# Altium PCB fMAX_MB.PcbDoc (part 9 of 13) (continued)
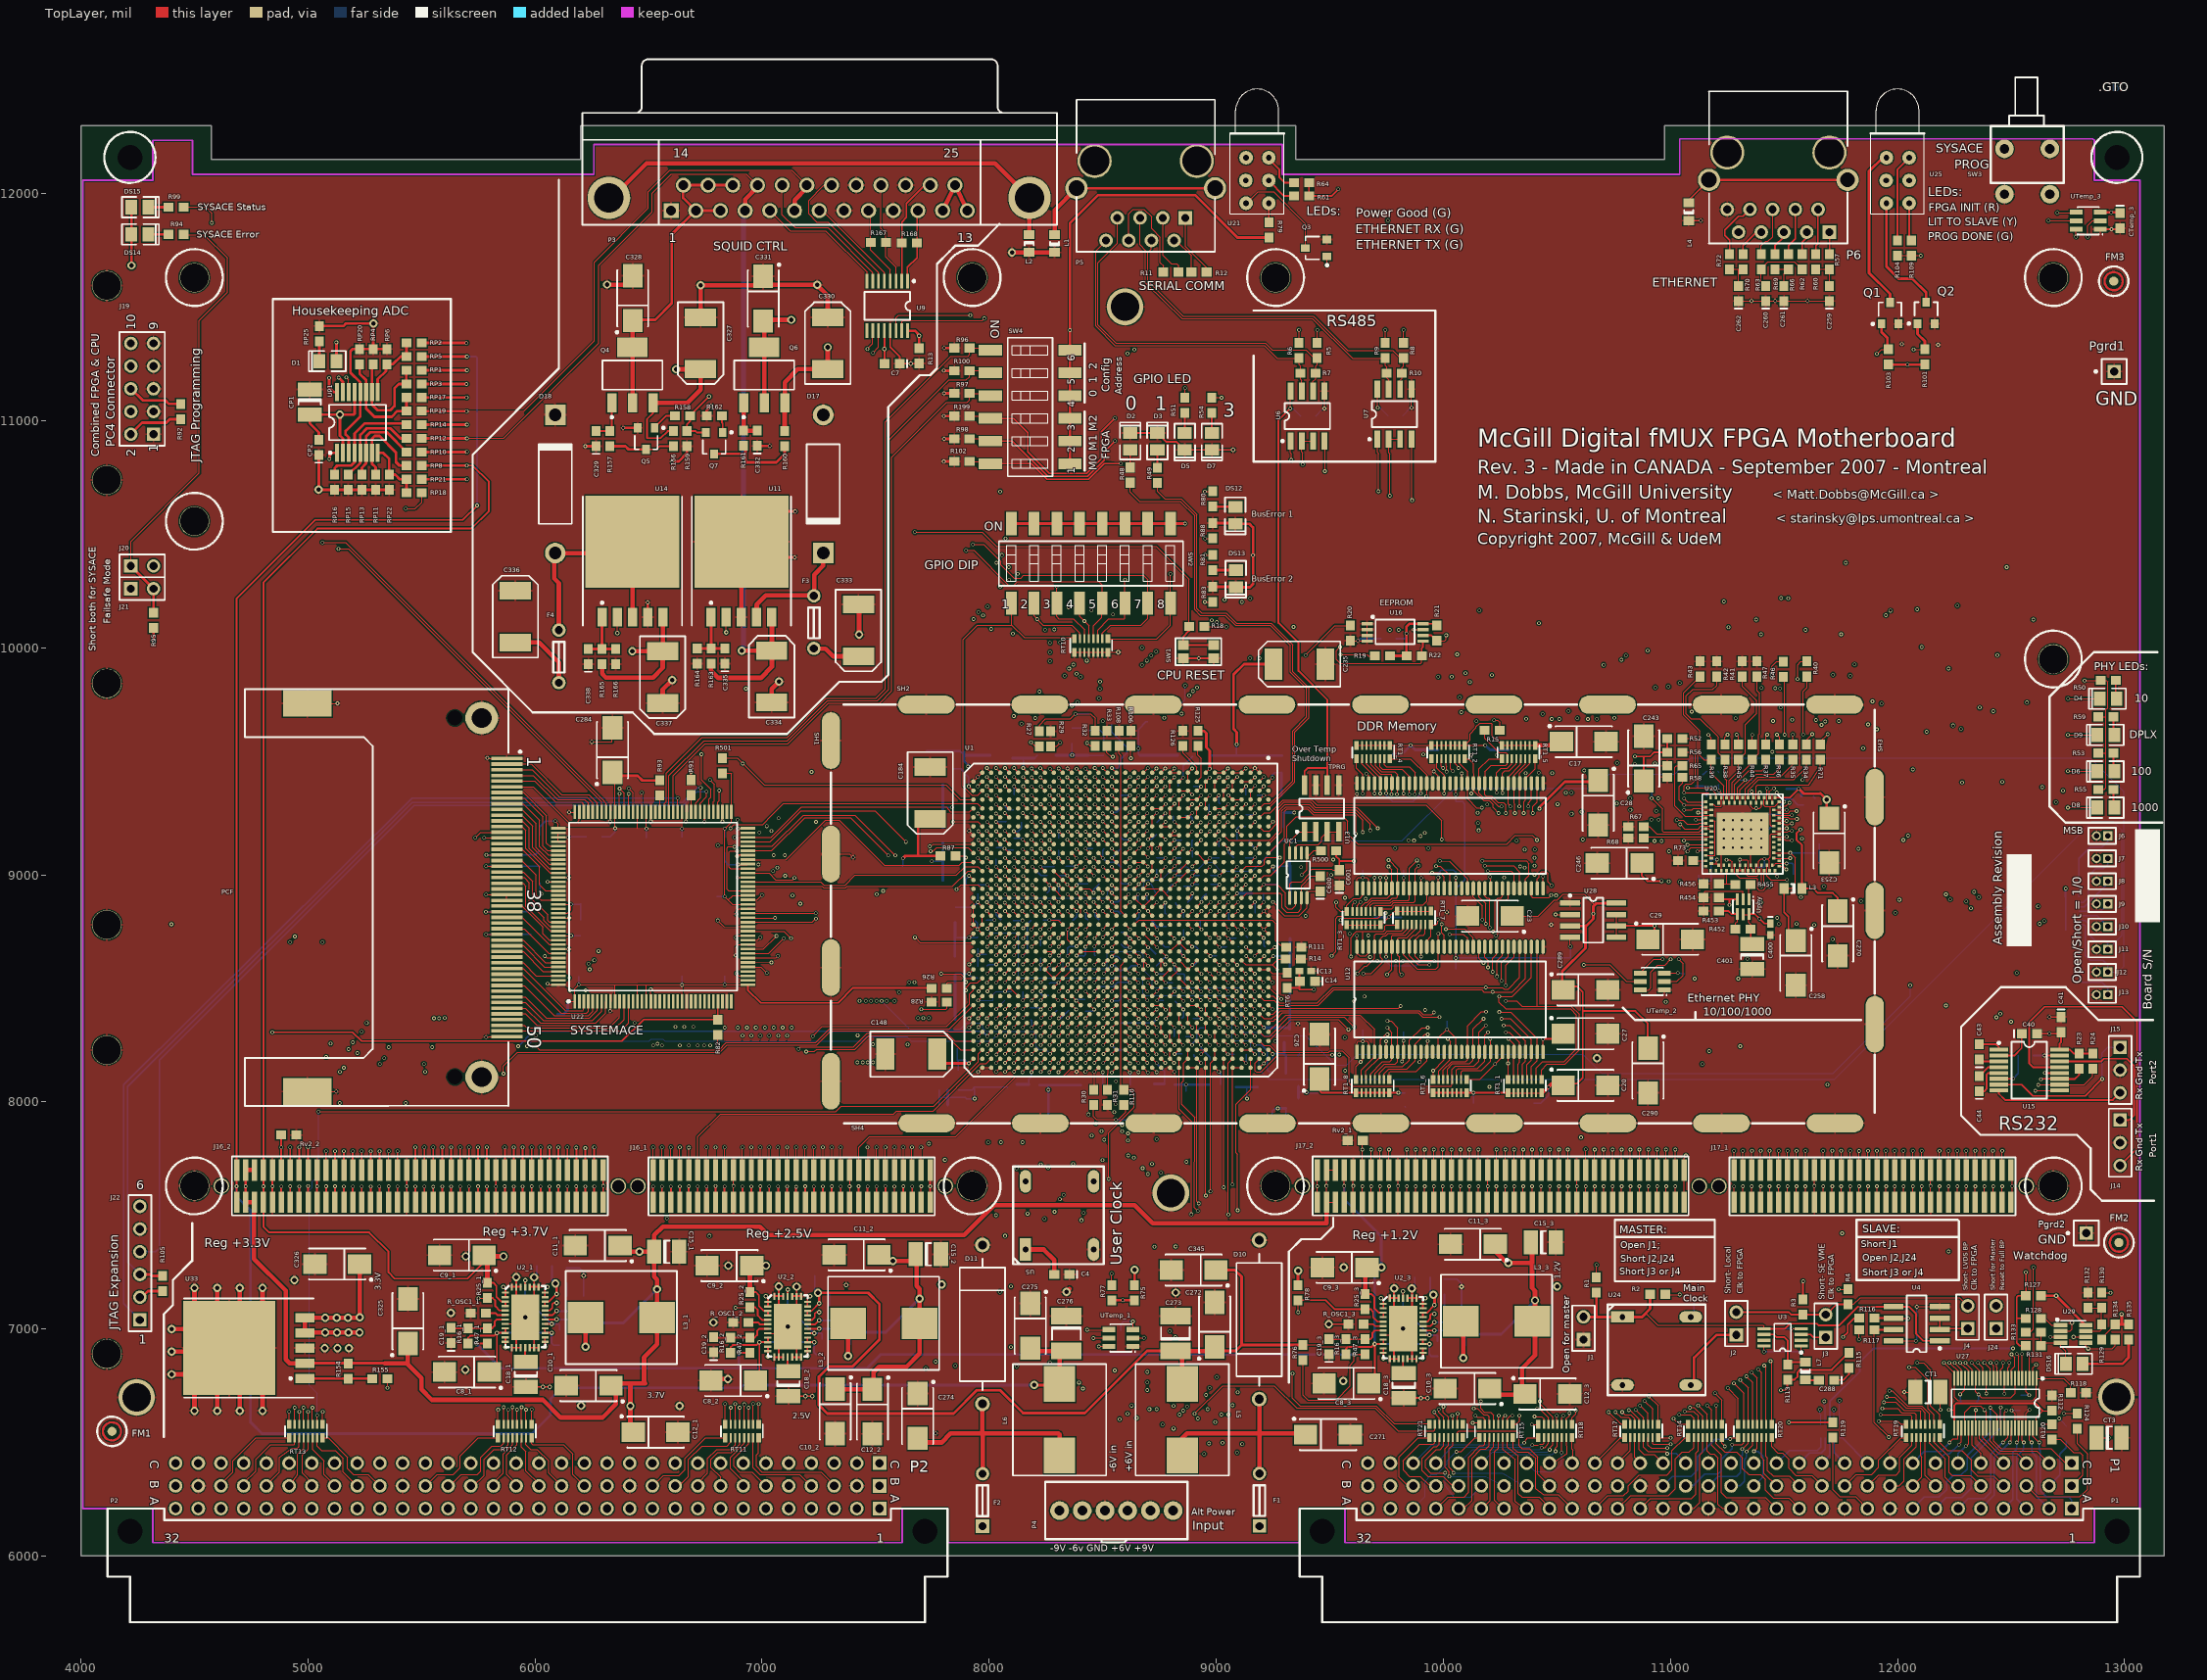
[diagram p0: TopLayer view]
## Nets (pads, with @x,y where several pads share a name; then routed paths per layer and width w, separated by ;. In a path a pad name is that pad's centre, name@x,y a point inside that pad or via, vN(x,y) a via of type N, cw(c..) or ccw(c..) an arc to the next point about the centre after c; other vN are vias at no path point) (continued)
  TopLayer w4: v1(10019.68,8277.56) 10031.5,8265.75 U12.17@10031.5,8220.47
  TopLayer w5: U1.K17@8875.28,8819.68 8875.28,8820.28 v1(8895,8840) ; v1(9967.52,9038.39) 9987.2,9038.39 10029.45,8996.14 U13.17@10029.45,8940 ; RT1_6.15@9979.69,8099.06 9979.69,8136.69 10029.45,8186.45 U12.17@10029.45,8220
  MidLayer2 w5: v1(8895,8840) 8895,8880.24 8993.11,8978.35 9177.17,8978.35 9213.58,9014.76 9898.62,9014.76 9922.24,9038.39 v1(9967.52,9038.39)
  Gnd3 w5: v1(9967.52,9038.39) 9970.47,9038.39 9994.09,9014.76 9994.09,8978.35 9945.04,8929.29 9945.04,8657.32 9977.36,8625 9977.36,8390.75 9962.6,8375.98 9962.6,8334.65 v1(10019.68,8277.56)
RB7: RT1_7.15 U1.B25 U12.56 | length 1066.8
  TopLayer w5: U1.B25@9190.28,8504.72 v1(9209,8486) ; U12.56@9875.91,8682.99 9875.91,8639.84 9892.72,8623.03 9956.69,8623.03 v1(9960.63,8619.09) ; 9875.91,8714.49 9895.67,8734.25 9912.4,8734.25 9920.31,8742.16 RT1_7.15@9920.31,8780.94
  MidLayer3 w5: v1(9209,8486) 9247.81,8486 9356.3,8594.49 9819.88,8594.49 9847.44,8622.05 9954.72,8622.05 9957.68,8619.09 v1(9960.63,8619.09)
RB8: RT1_8.15 U1.A30 U12.4 | length 768.2
  TopLayer w5: U1.A30@9229.61,8307.87 9229.61,8308.35 9277.87,8356.61 9281.61,8356.61 9307.4,8382.4 9633.35,8382.4 9696.77,8318.98 9696.77,8197.77 9639.69,8140.69 RT1_8.15@9639.69,8099.06
RC1: RT1_1.14 U1.C29 U12.29 U13.29 | length 2808.4
  TopLayer w5: U1.C29@9150.87,8347.24 9150.87,8347.13 v1(9170,8328) ; v1(10183.07,9039.37) 10310.04,9039.37 10336.54,9012.87 U13.29@10336.54,8940 ; v1(10275.59,8307.09) 10291.34,8307.09 10336.54,8261.89 U12.29@10336.54,8220 10336.54,8174.54 10329.37,8167.37 RT1_1.14@10329.37,8099.06
  MidLayer2 w5: v1(10183.07,9039.37) 10197.83,9039.37 10224.41,9012.8 10224.41,8984.09 10153.86,8913.54 10153.86,8592.2 10306.1,8439.96 10306.1,8274.61 10293.31,8261.81 10277.56,8261.81 10260.83,8278.54 10260.83,8292.32 v1(10275.59,8307.09)
  MidLayer4 w5: v1(9170,8328) 9179.87,8328 9196.85,8311.02 9196.85,8309.42 9203.74,8302.53 9203.74,8268.44 9224.82,8247.36 9827.09,8247.36 9923.23,8343.5 10110.24,8343.5 10193.9,8259.84 10293.31,8259.84 10303.15,8269.68 10303.15,8294.29 10290.35,8307.09 v1(10275.59,8307.09)
RC2: RT1_2.14 U1.F29 U12.47 | length 2666.6
  TopLayer w5: U1.F29@9032.76,8347.24 v1(9052,8328) ; v1(10027.56,8738.19) 10088.58,8738.19 10106.22,8720.55 U12.47@10106.22,8682.99 ; RT1_2.14@10050.63,9510.94 10050.63,9490.37 10063,9478 v1(10066,9470)
  MidLayer1 w5: v1(9052,8328) 9052,8329.89 9035.43,8346.46 9035.43,8407.48 9016.73,8426.18 8931.1,8426.18 8916.34,8440.94 8916.34,8569.88 8928.15,8581.69 8953.74,8581.69 9005.91,8633.86 9101.38,8633.86 9132.56,8602.68 9190.63,8602.68 9194.88,8598.43 9319.53,8598.43 9358.27,8559.68 ; 9356.65,8559.68 9587.24,8559.68 9609.25,8581.69 9820.87,8581.69 9862.87,8539.68 9980.63,8539.68 10027.56,8586.61 v1(10027.56,8738.19)
  Gnd3 w5: v1(10027.56,8738.19) 10070.87,8781.5 10070.87,9362.2 10063.98,9369.09 10063.98,9454.72 10066,9456.75 v1(10066,9470)
RC3: RT1_3.14 U1.B22 U13.5 | length 847.2
  TopLayer w5: U1.B22@9190.24,8622.83 U1.B22@9190.24,8622.83 ; U1.B22@9190.27,8622.8 v1(9211,8642) ; RT1_3.14@9619.37,8839.06 9619,8864 v1(9635,8880) ; v1@9722,8988 v1(9722.36,8987.64) U13.5@9722.36,8940 U13.5@9722.36,8914.36
  MidLayer2 w5: v1(9211,8642) 9211,8645.06 9227.36,8661.42 9279.79,8661.42 9512.07,8893.7 9548.23,8893.7 9558.07,8883.86 9562.99,8878.94 9579.72,8878.94 9601.38,8900.59 9614.41,8900.59 v1(9635,8880)
  MidLayer5 w5: v1(9635,8880) 9635,8900.28 v1(9722.36,8987.64)
RC4: RT1_4.14 U1.L26 U13.57 | length 3624.7
  TopLayer w5: U1.L26@8835.91,8465.35 8835.91,8465.09 v1(8856,8445) ; RT1_4.14@9720.63,9510.94 9720.63,9476.04 9731.67,9465 9817,9465 9850.32,9431.68 v1@9850.32,9354.41
  MidLayer1 w5: v1(8980.32,10120.08) 8980.32,10105.31 8990.16,10095.47 9012.8,10095.47 9033.32,10116 9726.52,10116 v1(9763.78,10078.74)
  MidLayer5 w5: v1(8856,8445) 8856,8446.17 8838.58,8463.58 8838.58,9088.58 8836.61,9090.55 8836.61,9382.33 8852.28,9398 8863.55,9398 8918.31,9452.76 8918.31,9791.34 8980.32,9853.35 v1(8980.32,10120.08) ; v1(9763.78,10078.74) 9763.78,10059.06 9822.83,10000 9822.83,9415.35 9850.39,9387.8 v1(9850.39,9354.33)
RC5: RT1_5.14 U1.A24 U12.39 U13.39 | length 2278.5
  TopLayer w4: U13.39@10310.95,9402.99 10310.95,9438.95
  TopLayer w5: U1.A24@9229.61,8544.09 9229.61,8543.39 v1(9247,8526) ; v1(10275.59,8513.78) 10275.59,8602.36 10310.95,8637.72 U12.39@10310.95,8682.99 ; U13.39@10310.95,9402.99 10310.95,9314.05 10314.96,9310.04 v1(10314.96,9271.65) ; 10310.95,9438.95 10360.63,9488.63 RT1_5.14@10360.63,9510.94
  MidLayer1 w5: v1(9247,8526) 9253.32,8519.68 10234.61,8519.68 10240.52,8513.78 v1(10275.59,8513.78) 10305.28,8543.46 10305.28,9162.56 10314.96,9172.24 v1(10314.96,9271.65)
RC6: RT1_6.14 U1.C22 U12.20 | length 1608.8
  TopLayer w5: v1(9132,8642) 9151.17,8622.83 U1.C22@9150.87,8622.83 ; RT1_6.14@9999.37,8099.06 9999.37,8140.37 10037,8178 10099,8178 10106.22,8185.22 U12.20@10106.22,8220 10106.22,8334.57 10168.31,8396.65 v1(10187.99,8396.65)
  MidLayer6 w5: v1(9132,8642) 9132,8641.62 9151.57,8622.05 9635.83,8622.05 9790.35,8467.52 10117.13,8467.52 v1(10187.99,8396.65)
RC7: RT1_7.14 U1.A21 U12.57 | length 1026.1
  TopLayer w5: U1.A21@9229.61,8662.2 v1(9257.87,8681.1) ; RT1_7.14@9900.63,8780.94 9900.63,8755.94 9878.37,8733.68 9868.52,8733.68 9850.32,8715.47 9850.32,8643.78 9889.76,8604.33 v1(9938.98,8604.33)
  MidLayer1 w5: v1(9257.87,8681.1) 9509.84,8681.1 9599.25,8591.69 9926.34,8591.69 v1(9938.98,8604.33)
RC8: RT1_8.14 U1.E31 U12.5 | length 976.2
  TopLayer w4: U12.5@9722.36,8220 9722.36,8273.54 9746.06,8297.24 v1(9753.94,8297.24)
  TopLayer w5: U1.E31@9072.13,8268.5 9072.5,8268.5 v1(9091,8250) ; RT1_8.14@9659.37,8099.06 9659.37,8135.37 9722.36,8198.36 U12.5@9722.36,8220
  MidLayer3 w5: v1(9091,8250) 9091,8251.43 9110.24,8270.67 9237.2,8270.67 9250,8283.46 9266.73,8283.46 9296.1,8254.09 9605.47,8254.09 9648.62,8297.24 v1(9753.94,8297.24)
RD1: RT1_1.13 U1.C23 U12.30 U13.30 | length 2803.2
  TopLayer w5: U1.C23@9150.87,8583.46 9150.87,8583.13 v1(9170,8564) ; v1(10172.24,9061.02) 10365.16,9061.02 10376.97,9049.21 10376.97,8997.05 10362.13,8982.21 U13.30@10362.13,8940 ; v1(10265.75,8336.61) 10293.31,8336.61 10362.13,8267.79 U12.30@10362.13,8220 10362.13,8180.13 10349.06,8167.06 RT1_1.13@10349.06,8099.06
  Gnd1 w5: v1(9170,8564) 9254.9,8564 9256.89,8562.01 9586.25,8562.01 9609.87,8538.39 9732.91,8538.39 9737.83,8533.46 9830.71,8533.46 9859.25,8562.01 10205.44,8562.01 10308.07,8459.38 10308.07,8378.94 v1(10265.75,8336.61)
  MidLayer2 w5: v1(10172.24,9061.02) 10133.86,9022.64 10133.86,8505.91 10216.54,8423.23 10216.54,8366.14 10246.06,8336.61 v1(10265.75,8336.61)
RD2: RT1_2.13 U1.F23 U12.51 | length 1915.7
  TopLayer w5: U1.F23@9032.76,8583.46 9032.76,8583.24 v1(9051,8565) ; v1(9993.11,8782.48) 9993.11,8744.2 10003.86,8733.45 U12.51@10003.86,8682.99 ; RT1_2.13@10030.94,9510.94 10030.94,9467.09 v1(10042.32,9455.71)
  MidLayer2 w5: v1(9051,8565) 9052.2,8565 9069.88,8582.68 9098.43,8582.68 9119.5,8603.75 9265.17,8603.75 9434.88,8773.46 9984.09,8773.46 v1(9993.11,8782.48)
  Gnd3 w5: v1(9993.11,8782.48) 10038.39,8827.76 10038.39,9362.2 10042.32,9366.14 v1(10042.32,9455.71)
RD3: RT1_3.13 U1.E26 U13.7 | length 1547.5
  TopLayer w4: RT1_3.13@9639.06,8839.06 9639.06,8861.5 9655.51,8877.95 9665.42,8877.95 9684.12,8896.65 9752.65,8896.65 U13.7@9773,8917
  TopLayer w5: U1.E26@9072.13,8465.35 9072.13,8464.87 v1(9090,8447) ; v1(9758.86,9036.42) 9773.54,9021.73 U13.7@9773.54,8940 ; U13.7@9773,8917 U13.7@9773,8939.46
  MidLayer6 w5: v1(9090,8447) 9088.43,8447 9071.85,8463.58 9071.85,8921.26 9087.6,8937.01 9532.48,8937.01 9631.89,9036.42 v1(9758.86,9036.42)
RD4: RT1_4.13 U1.B33 U13.59 | length 2112.6
  TopLayer w5: U1.B33@9190.24,8189.76 9190.24,8189.24 9172,8171 9172,8136.07 9177.17,8130.91 9195.87,8130.91 9272.64,8207.68 v1(9510.83,8207.68) ; RT1_4.13@9700.94,9510.94 9700.94,9480.17 9727.11,9454 9786,9454 9799.13,9440.87 v1@9799.13,9358.19
  Gnd3 w5: v1(9510.83,8207.68) 9526.57,8191.93 9762.8,8191.93 9796.26,8225.39 9796.26,8604.33 9807.09,8615.16 9807.09,8629.92 9796.26,8640.75 9796.26,9102.36 9804.13,9110.24 9804.13,9125.98 9795.28,9134.84 v1(9795.28,9354.33)
RD5: RT1_5.13 U1.F25 U12.40 U13.40 | length 2554.6
  TopLayer w5: U1.F25@9032.76,8504.72 9033.28,8504.72 v1(9052,8486) ; v1(10255.91,8533.46) 10255.91,8612.2 10285.43,8641.73 U12.40@10285.43,8681.1 ; U13.40@10285.36,9402.99 10285.36,9311.1 v1(10295.28,9301.18) ; U13.40@10285.36,9431.36 10340.94,9486.94 RT1_5.13@10340.94,9510.94
  MidLayer1 w5: v1(9052,8486) 9031.55,8465.55 9009.84,8465.55 8995.08,8480.32 8995.08,8498.03 9039.37,8542.32 9262.8,8542.32 9275.43,8529.68 10229.49,8529.68 10233.27,8533.46 v1(10255.91,8533.46) 10295.28,8572.84 v1(10295.28,9301.18)
RD6: RT1_6.13 U1.C27 U12.21 U13.21 | length 2205.1
  TopLayer w5: U1.C27@9150.87,8425.98 9151.02,8425.98 v1(9169,8408) ; RT1_6.13@10019.06,8099.06 10019.06,8145.91 10041.14,8168 10116,8168 10131.81,8183.81 U12.21@10131.81,8220 10131.81,8320.79 v1(10177.17,8366.14) ; U13.21@10131.81,8940 10131.81,8902.64 10171.26,8863.19 v1(10171.26,8802.17)
  MidLayer1 w5: v1@9169,8405.8 v1(9169,8408) 9169.76,8408 9191.93,8385.83 9344.49,8385.83 9458.35,8499.68 10136.14,8499.68 10162.4,8473.43 10162.4,8380.91 v1(10177.17,8366.14)
  Gnd3 w5: v1(10171.26,8802.17) 10171.26,8658.21 10129.92,8616.87 10129.92,8504.92 10163.39,8471.46 10163.39,8379.92 v1(10177.17,8366.14)
RD7: RT1_7.13 U1.K26 U12.59 | length 1297.1
  TopLayer w5: U1.K26@8875.28,8465.35 8875.65,8465.35 v1(8894,8447) ; v1(9815.94,8561.02) 9807.09,8569.88 9807.09,8637.8 9799.13,8645.75 9799.13,8718.43 9803.66,8722.95 9840.08,8722.95 9880.94,8763.82 RT1_7.13@9880.94,8780.94
  MidLayer2 w5: v1(8894,8447) 8894,8444.58 8913.39,8425.2 9680.12,8425.2 v1(9815.94,8561.02)
RD8: RT1_8.13 U1.D30 U12.7 | length 996.6
  TopLayer w4: v1(9753.94,8325.79) 9761.81,8316.93 9773.54,8305.2 U12.7@9773.54,8220
  TopLayer w5: U1.D30@9111.5,8307.87 9112.13,8307.87 v1(9130,8290) ; RT1_8.13@9679.06,8099.06 9679.06,8124.06 9732,8177 9765,8177 9773.54,8185.54 U12.7@9773.54,8220
  MidLayer3 w5: v1(9130,8290) 9130,8290.43 9147.64,8308.07 9258.86,8308.07 9302.83,8264.09 9601.33,8264.09 9662.4,8325.79 v1(9753.94,8325.79)
  MidLayer4 w5: v1@9752.95,8326.77 v1@9752.95,8328.74
RE1: RT1_1.12 U1.D25 U12.31 U13.31 | length 2362.2
  TopLayer w5: U1.D25@9111.5,8504.72 9111.5,8504.5 v1(9131,8485) ; v1(10255.91,8366.14) 10295.28,8366.14 10387.72,8273.7 U12.31@10387.72,8220 10387.72,8182.72 10368.74,8163.74 RT1_1.12@10368.74,8099.06 ; U13.31@10387.72,8940 10387.72,8905.59 10392.72,8900.59 10464.57,8900.59 v1(10474.41,8910.43)
  MidLayer1 w5: v1(10255.91,8366.14) 10255.91,8379.56 10319.88,8443.53 10319.88,8457.94 10417.32,8555.38 10417.32,8853.35 v1(10474.41,8910.43)
  MidLayer4 w5: v1(9131,8485) 9131.65,8485 9150.59,8503.94 9320.87,8503.94 9340.55,8523.62 10103.97,8523.62 10228.35,8399.24 10228.35,8375.98 10238.19,8366.14 v1(10255.91,8366.14)
RE2: RT1_2.12 U1.F28 U13.20 | length 2734.3
  TopLayer w5: U1.F28@9032.76,8386.61 9032.76,8386.24 v1(9051,8368) ; v1(9984.25,9061.02) 10027.56,9060.04 10106.22,8982.36 U13.20@10106.22,8940 ; RT1_2.12@10011.26,9510.94 10011.26,9481.85 10014.76,9478.35 v1(10014.76,9454.72)
  Gnd3 w5: v1(9051,8368) 9051.29,8368 9072.83,8346.46 9311.46,8346.46 9350,8385 9434.17,8385 9489.17,8440 ; 9489.17,8438.98 9489.17,9394.68 9583.66,9489.17 10005.91,9489.17 10017.72,9477.36 10017.72,9457.68 v1(10014.76,9454.72) 10014.76,9371.06 10028.39,9357.44 10028.39,9105.16 v1@9985.24,9062.01
RE3: RT1_3.12 U1.D27 U13.8 | length 1773.5
  TopLayer w4: RT1_3.12@9658.74,8839.06 9658.74,8858.54 9686.02,8885.83 9763.94,8885.83 9775.75,8897.64 9793.31,8897.64 9799.13,8903.46 U13.8@9799.13,8940
  TopLayer w5: U1.D27@9111.5,8425.98 9111.5,8425.5 v1(9130,8407) ; v1(9758.86,9064.96) 9759.84,9064.96 9799.13,9025.67 U13.8@9799.13,8940
  MidLayer6 w5: v1(9130,8407) 9130,8409.37 9114.17,8425.2 9049.21,8425.2 9032.48,8441.93 9032.48,8939.96 9068.9,8976.38 9551.18,8976.38 9639.76,9064.96 v1(9758.86,9064.96)
RE4: RT1_4.12 U1.B32 U13.60 | length 2005.3
  TopLayer w5: U1.B32@9190.24,8229.13 9190.24,8228.76 v1(9209,8210) ; RT1_4.12@9681.26,9510.94 9681.26,9484.3 9722.56,9443 9773,9443 9773.54,9442.46 v1@9773.54,9356.22
  Gnd3 w5: v1(9209,8210) 9209,8211.95 9237.2,8240.16 9627.59,8240.16 9652.2,8215.55 9770.35,8215.55 9786.26,8231.46 9786.26,8598.58 9775.59,8609.25 9775.59,8632.87 9786.26,8643.54 9786.26,9097.6 9772.64,9111.22 9772.64,9125.98 9785.28,9138.62 9785.28,9334.8 9771.65,9348.42 v1(9771.65,9354.33)
RE5: RT1_5.12 U1.F26 U12.41 U13.41 | length 2689
  TopLayer w5: U1.F26@9032.76,8465.35 9032.76,8465.24 v1(9052,8446) ; v1(10236.22,8553.15) 10236.22,8622.05 10259.76,8645.59 U12.41@10259.76,8682.99 ; v1(10259.76,9360.24) 10259.76,9447.76 10270,9458 10290,9458 10321.26,9489.26 RT1_5.12@10321.26,9510.94
  Gnd1 w5: v1(9052,8446) 9072.54,8466.54 9093.5,8466.54 9110.24,8483.27 9110.24,8651.57 9120.08,8661.42 9257.87,8661.42 9336.46,8582.83 10081.85,8582.83 10133.86,8634.84 10187.01,8634.84 10249.02,8572.83 10249.02,8565.94 v1(10236.22,8553.15)
  Gnd3 w5: v1(10236.22,8553.15) 10260.83,8577.76 10260.83,8746.43 10235.24,8772.02 10235.24,8999.38 10227.36,9007.25 10227.36,9326.77 10259.76,9359.17 v1(10259.76,9360.24)
RE6: RT1_6.12 U1.B31 U12.22 U13.22 | length 2038.2
  TopLayer w5: U1.B31@9190.24,8268.5 9190.5,8268.5 9190.5,8267.18 9209.65,8248.03 9235.24,8248.03 9265.59,8217.68 9495.24,8217.68 9501.97,8224.41 9554.13,8224.41 9584.65,8193.9 9584.65,8081.69 9596.46,8069.88 10035.43,8069.88 10038.74,8073.19 10038.74,8143.74 10053,8158 10136,8158 10157.4,8179.4 U12.22@10157.4,8220 10157.4,8307.01 v1(10187.01,8336.61) ; U13.22@10157.4,8940 10157.4,8902.64 10187.01,8873.03 v1(10187.01,8784.45)
  Gnd3 w5: v1(10187.01,8336.61) 10203.74,8353.35 10203.74,8446.85 10149.61,8500.98 10149.61,8622.41 10187.01,8659.81 v1(10187.01,8784.45)
RE7: RT1_7.12 U1.G23 U12.60 | length 1097.8
  TopLayer w5: U1.G23@8993.39,8583.46 8993.54,8583.46 v1(9012,8565) ; v1(9751.97,8561.02) 9773.54,8582.6 9773.54,8729.25 9777.24,8732.95 9828.43,8732.95 9829.15,8733.68 9832.11,8733.68 9861.26,8762.83 RT1_7.12@9861.26,8780.94
  MidLayer1 w5: v1(9012,8565) 9012,8566.13 9028.54,8582.68 9177.17,8582.68 9207.52,8552.32 9269.53,8552.32 9282.17,8539.68 9730.63,8539.68 v1(9751.97,8561.02)
RE8: RT1_8.12 U1.G27 U12.8 | length 1193.7
  TopLayer w4: v1(9753.94,8356.3) 9769.69,8356.3 9799.13,8326.85 U12.8@9799.13,8220
  TopLayer w5: U1.G27@8993.39,8425.98 8993.39,8425.61 v1(9012,8407) ; RT1_8.12@9698.74,8099.06 9698.74,8125.74 9740,8167 9788,8167 9799,8178 U12.8@9799,8219.87
  MidLayer4 w5: v1(9012,8407) 9065.44,8407 9086.61,8385.83 9240.16,8385.83 9317.91,8308.07 9331.69,8294.29 9554.85,8294.29 9561.74,8301.18 9683.07,8301.18 9738.19,8356.3 v1@9751.97,8356.3
RF1: RT1_1.11 U1.D24 U12.32 U13.32 | length 2449.8
  TopLayer w5: U1.D24@9111.5,8544.09 9111.91,8544.09 v1(9130,8526) ; v1(10246.06,8395.67) 10297.24,8395.67 10413.31,8279.61 U12.32@10413.31,8220 10413.31,8181.31 10388.43,8156.43 RT1_1.11@10388.43,8099.06 ; U13.32@10413.31,8940 10413.31,8982.21 10421.26,8990.16 10421.26,9002.95 10433.07,9014.76 10451.77,9014.76 10461.61,9004.92 10461.61,8968.5 v1(10476.38,8953.74)
  MidLayer1 w5: v1(10246.06,8395.67) 10257.87,8395.67 10309.06,8446.85 10309.06,8461.25 10406.5,8558.69 10406.5,8883.86 v1(10476.38,8953.74)
  MidLayer4 w5: v1(9130,8526) 9140.17,8526 9157.48,8543.31 9295.28,8543.31 9303.15,8535.43 10106.3,8535.43 v1(10246.06,8395.67)
RF2: RT1_2.11 U1.E23 U13.16 | length 2114.2
  TopLayer w5: U1.E23@9072.13,8583.46 9072.13,8582.87 v1(9089,8566) ; v1(9950.79,9008.86) 9985.24,9008.86 10003.86,8990.24 U13.16@10003.86,8940 ; RT1_2.11@9991.57,9510.94 9991.57,9478.43 v1(9999,9470)
  MidLayer5 w5: v1(9950.79,9008.86) 9950.79,9437.01 9894.68,9493.11 9894.68,9543.31 9903.54,9552.17 9971.46,9552.17 9999,9524.62 v1(9999,9470)
  MidLayer6 w5: v1(9089,8566) v1@9093.56,8566 ; v1@9090.55,8566 9090.55,8571.85 9114.17,8595.47 9114.17,8854.33 9176.18,8916.34 9858.27,8916.34 v1(9950.79,9008.86)
RF3: RT1_3.11 U1.A28 U13.10 | length 1659.2
  TopLayer w4: RT1_3.11@9678.43,8839.06 9678.43,8864.45 9689.96,8875.98 9766.82,8875.98 9778.63,8887.8 9845.47,8887.8 9850.32,8892.64 U13.10@9850.32,8940
  TopLayer w5: U1.A28@9229.61,8386.39 U1.A28@9229.61,8386.61 ; U1.A28@9231.56,8386.56 9251.56,8386.56 9277.4,8412.4 9802.17,8412.4 v1(9812.01,8422.24) ; U13.10@9850.32,8940 9850.32,9029.45 v1(9883.86,9062.99)
  Gnd3 w5: v1(9812.01,8422.24) 9812.01,8533.46 9839.57,8561.02 9839.57,9018.7 v1(9883.86,9062.99)
RF4: RT1_4.11 U1.F31 U13.62 | length 2096.2
  TopLayer w5: U1.F31@9032.76,8268.5 9032.76,8268.24 v1(9052,8249) ; RT1_4.11@9661.57,9510.94 9661.57,9488.43 9704,9446 9722,9428 U13.62@9722.36,9402.99 v1@9722.36,9359.36
  Gnd3 w5: v1(9052,8249) 9052,8249.83 9070.87,8268.7 9236.22,8268.7 9252.95,8251.97 9629.92,8251.97 9640.75,8241.14 9752.32,8241.14 9776.26,8265.08 9776.26,8593.82 9762.62,8607.45 9762.62,8634.05 9776.26,8647.69 9776.26,9091.85 9761.81,9106.3 9761.81,9129.3 9775.28,9142.76 9775.28,9294.61 9722,9347.88 v1(9722,9358)
RF5: RT1_5.11 U1.B27 U12.42 U13.42 | length 2498
  TopLayer w5: U1.B27@9190.24,8425.98 9190.24,8425.76 v1(9209,8407) ; v1(10216.54,8572.83) 10216.54,8631.89 10234.17,8649.53 U12.42@10234.17,8682.99 ; v1(10234.17,9361.17) 10234.17,9450.17 10254,9470 10282,9470 10301.57,9489.57 RT1_5.11@10301.57,9510.94
  Gnd1 w5: v1(9209,8407) 9188.83,8427.17 9159.45,8427.17 9149.61,8437.01 9149.61,8582.68 9178.15,8611.22 9278.54,8611.22 9316.93,8572.83 9589.57,8572.83 9612.2,8550.2 9735.24,8550.2 9741.14,8544.29 9825.79,8544.29 9854.33,8572.83 v1(10216.54,8572.83)
  Gnd3 w5: v1(10216.54,8572.83) 10250,8606.3 10250,8743.11 10224.41,8768.7 10224.41,8996.06 10216.54,9003.94 10216.54,9330.09 10233.22,9346.77 10233.22,9361.17 v1(10234.17,9361.17)
RF6: RT1_6.11 U1.A31 U12.23 U13.23 | length 2104.6
  TopLayer w5: U1.A31@9229.61,8268.39 U1.A31@9229.61,8268.5 9231.42,8268.5 9289.21,8326.3 9289.88,8326.3 9300.2,8336.61 9301.61,8336.61 9327.4,8362.4 9537.6,8362.4 9565,8335 ; 9563.98,8336.61 v1(9581.69,8318.9) ; RT1_6.11@10058.43,8099.06 10058.43,8140.43 10066,8148 10151,8148 10182.99,8179.99 U12.23@10182.99,8220 10182.99,8293.23 v1(10196.85,8307.09) ; U13.23@10182.99,8940 10182.99,8905.59 10190.94,8897.64 10199.8,8897.64 10203.74,8893.7 v1(10203.74,8767.72)
  MidLayer1 w5: v1(9581.69,8318.9) 9581.69,8317.91 9592.52,8307.09 9606.3,8307.09 9682.09,8382.87 9928.15,8382.87 9966.54,8344.49 10130.91,8344.49 10168.31,8307.09 v1(10196.85,8307.09)
  Gnd3 w5: v1(10196.85,8307.09) 10215.55,8325.79 10215.55,8450.79 10160.43,8505.91 10160.43,8619.09 10203.74,8662.4 v1(10203.74,8767.72)
RF7: RT1_7.11 U1.C25 U12.62 | length 908.4
  TopLayer w5: U1.C25@9150.87,8504.72 9150.87,8504.13 v1(9169,8486) ; v1(9647.64,8565.94) 9683.07,8565.94 9731.3,8614.17 9731.3,8626.97 9722.36,8635.91 9722.36,8718.42 9735.08,8731.14 9745.91,8731.14 9757.72,8742.95 9822.68,8742.95 9841.57,8761.85 RT1_7.11@9841.57,8780.94
  MidLayer2 w5: v1@9168.31,8485.24 9168.31,8486.22 9186.02,8503.94 9250,8503.94 9279.37,8533.31 9615,8533.31 v1(9647.64,8565.94)
  MidLayer3 w5: v1(9169,8486) v1@9169,8486.91
RF8: RT1_8.11 U1.E29 U12.10 | length 1426.5
  TopLayer w4: U12.10@9850.32,8220 9850.32,8271.58 9905.51,8326.77 v1(9931.1,8326.77)
  TopLayer w5: U1.E29@9072.13,8347.24 9072.13,8346.87 v1(9091,8328) ; RT1_8.11@9718.43,8099.06 9718.43,8127.43 9746,8155 9821,8155 9850.32,8184.32 U12.10@9850.32,8220
  MidLayer4 w5: v1(9091,8328) 9109.01,8328 9131.59,8305.42 9143.4,8305.42 9153.54,8295.28 9153.54,8283.46 9165.35,8271.65 9172.24,8271.65 9216.54,8227.36 9943.9,8227.36 9964.57,8248.03 9964.57,8293.31 v1(9931.1,8326.77) ; 9849.41,8227.36 9850.39,8228.35
RG1: RT1_1.10 U1.G25 U12.36 U13.36 | length 3431.1
  TopLayer w5: U1.G25@8993.39,8504.72 8993.39,8504.61 v1(9014,8484) ; v1(10374.02,9301.18) 10374.02,9316.93 10387.72,9330.63 U13.36@10387.72,9402.99 ; U12.36@10387.72,8682.99 10387.72,8549.14 10303.15,8464.57 v1(10246.06,8464.57) 10246.06,8438.98 10275.59,8409.45 10559.06,8409.45 10586.61,8381.89 10586.61,8232.28 10531.5,8177.17 10437.01,8177.17 10408.11,8148.27 RT1_1.10@10408.11,8099.06
  MidLayer1 w5: v1(9014,8484) 9032.95,8502.95 9276.57,8502.95 9283.31,8509.68 10157.8,8509.68 10202.91,8464.57 10280.67,8464.57 10385,8568.9 10386.08,8568.9 10386.08,9074.92 10374.02,9086.98 v1(10374.02,9301.18)
RG2: RT1_2.10 U1.B28 U13.51 | length 2011.8
  TopLayer w5: U1.B28@9190.24,8385.76 U1.B28@9190.24,8386.61 9190.39,8386.61 9209,8368 9243.98,8368 9252.6,8376.61 9256.61,8376.61 9282.4,8402.4 9892.6,8402.4 9910,8385 9950,8385 ; 9948.82,8384.84 v1(9957.68,8393.7) ; RT1_2.10@9971.89,9510.94 9971.89,9470.11 10003.86,9438.14 U13.51@10003.86,9402.99 v1(10004,9358)
  Gnd3 w5: v1(9957.68,8393.7) 9922.24,8429.13 9922.24,8612.2 9935.04,8625 9935.04,8966.36 9966.54,8997.86 9966.54,9020.67 9964.36,9022.84 9957.47,9022.84 9949.8,9030.51 9949.8,9049.21 10018.39,9117.8 10018.39,9344.8 10005.19,9358 v1(10004,9358)
RG3: RT1_3.10 U1.B21 U13.11 | length 1593.7
  TopLayer w4: RT1_3.10@9698.11,8839.06 9698.11,8862.48 9701.77,8866.14 9769.71,8866.14 9781.52,8877.95 9869.09,8877.95 9875.91,8884.76 U13.11@9875.91,8940
  TopLayer w5: v1(9169,8643) 9190.48,8661.93 9190.8,8662.2 U1.B21@9190.24,8662.2 ; U13.11@9875.91,8940 9875.91,9024.53 v1(9891.73,9040.35)
  MidLayer1 w5: v1@9169,8642.02 v1(9169,8643) 9170.56,8643 9229.33,8701.77 9565.94,8701.77 9665.35,8602.36 9830.71,8602.36 9873.03,8644.68 9873.03,9021.65 v1(9891.73,9040.35)
RG4: RT1_4.10 U1.L25 U13.63 | length 2000.2
  TopLayer w5: U1.L25@8835.91,8504.72 8836.28,8504.72 v1(8856,8485) ; RT1_4.10@9641.89,9510.94 9641.89,9488.11 U13.63@9696.77,9433.23 ; v1(9696.77,9357.77) U13.63@9696.77,9402.99
  MidLayer2 w5: v1(8856,8485) 8856.54,8485 8876.97,8464.57 9270.67,8464.57 9275.59,8469.49 9295.28,8469.49 9300.2,8464.57 v1(9652.56,8464.57)
  MidLayer5 w5: v1(9652.56,8464.57) 9552.32,8564.8 9552.32,8765.91 9573.82,8787.4 9573.82,8812.37 9567,8819.19 9567,8861.29 9593.5,8887.8 9593.5,8928.97 9587.01,8935.46 9587.01,9267.75 9637.25,9317.99 9655.59,9317.99 9695.37,9357.77 v1(9696.77,9357.77)
RG5: R15.1 RT1_5.10 U1.E22 U12.44 U13.44 | length 2591.9
  TopLayer w5: U1.E22@9072.17,8622.83 v1(9092,8603) ; R15.1@10181.54,9636 10183,9634.54 10183,9601.45 10246.08,9538.37 10274.63,9538.37 10281.89,9531.1 10281.89,9487.89 10276,9482 10210,9482 10182.99,9454.99 U13.44@10182.99,9402.99 10183,9400 10183,9352.43 10189.65,9345.79 10213.27,9345.79 10240.16,9318.9 10263.78,9318.9 10275.59,9307.09 v1(10275.59,9271.65) ; U12.44@10182.99,8682.99 10182.99,8635.9 10196.85,8622.05 v1(10196.85,8592.52)
  MidLayer1 w5: v1(10196.85,8592.52) 10283.46,8679.13 10283.46,8999.02 10275.59,9006.89 v1(10275.59,9271.65)
  MidLayer3 w5: v1(9092,8603) 9101.05,8612.05 9696.02,8612.05 9702.76,8605.32 9742.13,8605.32 9798.23,8661.42 10158.46,8661.42 10196.85,8623.03 v1(10196.85,8592.52)
RG6: R14.2 RT1_6.10 U1.D22 U12.24 U13.24 | length 2701.6
  TopLayer w5: U1.D22@9111.5,8622.83 9111.5,8622.5 9130,8604 9248,8604 9273,8629 R14.2@9306.54,8629 ; 9248.87,8604.87 9248.87,8601.53 v1(9267.72,8582.68) ; RT1_6.10@10078.11,8099.06 10078.11,8131.11 10085,8138 10168,8138 10208.58,8178.58 U12.24@10208.58,8220 v1@10208.58,8275.67 ; v1(10206.69,8990.16) 10206.69,8981.3 10208.58,8979.41 U13.24@10208.58,8940
  MidLayer3 w5: v1(9259.84,8267.72) 9259.84,8248.03 9263.78,8244.09 10035.43,8244.09 10068.9,8277.56 v1(10206.69,8277.56)
  MidLayer5 w5: v1(9259.84,8267.72) 9267.72,8275.59 v1(9267.72,8582.68) ; v1(10206.69,8277.56) 10220.12,8290.99 10220.12,8396.3 10241.14,8417.32 10278.54,8417.32 10292.32,8431.1 10292.32,8436.02 10293.15,8929.29 10280.51,8941.93 10243.11,8941.93 10206.69,8978.35 v1(10206.69,8990.16)
RG7: RT1_7.10 U1.J25 U12.63 | length 1218.2
  TopLayer w5: U1.J25@8914.65,8504.72 8914.65,8504.35 v1(8934,8485) ; v1(9621.06,8565.94) 9653.54,8598.43 9663.21,8598.43 9696.77,8631.99 U12.63@9696.77,8682.99 ; U12.63@9696.77,8685.95 9696.77,8734.17 9703.74,8741.14 9741.59,8741.14 9753.4,8752.95 9815.94,8752.95 9821.89,8758.9 RT1_7.10@9821.89,8780.94
  MidLayer1 w5: v1(8934,8485) 8934,8485.18 8955.71,8506.89 8979.33,8506.89 8996.06,8523.62 8996.06,8609.25 9008.86,8622.05 9097.44,8622.05 9126.81,8592.68 9182.91,8592.68 9213.27,8562.32 9274.29,8562.32 9286.93,8549.68 9604.8,8549.68 v1(9621.06,8565.94)
RG8: RT1_8.10 U1.D29 U12.11 | length 1300.5
  TopLayer w4: U12.11@9875.91,8220 9875.91,8253.86 9919.29,8297.24 v1(9931.1,8297.24)
  TopLayer w5: U1.D29@9111.5,8347.24 9111.76,8347.24 v1(9131,8328) ; RT1_8.10@9738.11,8099.06 9738.11,8124.11 9759,8145 9839,8145 9875.91,8181.91 U12.11@9875.91,8220
  MidLayer4 w5: v1(9131,8328) 9144.44,8328 9161.42,8311.02 9181.1,8311.02 9192.91,8299.21 9192.91,8265.13 9220.68,8237.36 9845.27,8237.36 9847.08,8239.17 9940.94,8239.17 9952.76,8250.98 9952.76,8276.57 v1@9931.1,8298.23
RH1: RT1_1.9 U1.C24 U12.35 U13.35 | length 3287
  TopLayer w5: U1.C24@9150.87,8544.09 v1(9170,8525) ; v1(10275.59,8444.88) 10322.83,8444.88 10346.46,8421.26 10562.99,8421.26 10598.43,8385.83 10598.43,8228.35 10535.43,8165.35 10456.69,8165.35 10432.72,8141.38 RT1_1.9@10432.72,8099.06 ; v1(10393.7,9271.65) 10393.7,9301.18 10413.31,9320.79 U13.35@10413.31,9402.99 ; 10413.31,8421.34 U12.35@10413.31,8682.99
  Gnd1 w5: v1(9170,8525) 9170.67,8525 9196.85,8551.18 9582.94,8551.18 9611.48,8522.64 9834.65,8522.64 9863.19,8551.18 10202.13,8551.18 10275.59,8477.72 v1(10275.59,8444.88)
  MidLayer1 w5: v1(10275.59,8444.88) 10292.32,8444.88 10298.23,8450.79 10298.23,8464.57 10396.08,8562.41 10396.08,8969.89 10419.29,8993.11 10419.29,9118.11 10393.7,9143.7 v1(10393.7,9271.65)
RH2_12: RT1_2.9
RH3: RT1_3.9 U1.D26 U13.13 | length 1235.7
  TopLayer w4: U1.D26@9111.5,8465.35 9111.65,8465.35 v1(9130,8447) ; RT1_3.9@9722.72,8840.28 9722.72,8848.7 9724.41,8850.39 9773.62,8850.39 9779.94,8856.71 9779.94,8862.94 9785,8868 9910,8868 9927.09,8885.09 U13.13@9927.09,8940
  TopLayer w5: v1(9508.86,8643.7) 9527.56,8662.4 9527.56,8808.07 9536.42,8816.93 9554.13,8816.93 9562.01,8809.06 9712.6,8809.06 9722.72,8819.17 RT1_3.9@9722.72,8839.06
  MidLayer5 w5: v1(9130,8447) 9130.07,8447 9149.61,8466.54 9149.61,8576.77 9175.2,8602.36 9467.52,8602.36 v1(9508.86,8643.7)
RH4: RT1_4.9 U1.D31 U13.65 | length 1822.2
  TopLayer w5: U1.D31@9111.5,8268.5 v1(9130,8250) ; RT1_4.9@9617.28,9510.94 9617.28,9468.72 9645.59,9440.41 v1(9645.59,9356.59)
  MidLayer1 w5: v1(9130,8250) 9130,8249.92 9151.57,8228.35 9522.64,8228.35 v1(9542.32,8208.66)
  MidLayer5 w5: v1(9542.32,8208.66) 9542.32,8771.65 9563.06,8792.39 9563.06,8808.99 9557,8815.05 9557,8867.04 9582.68,8892.72 9582.68,8905.51 9577.76,8910.43 9577.76,8930.57 9577,8931.33 9577,9271.88 9645.59,9340.47 v1(9645.59,9356.59)
RH5: RT1_5.9 U1.E16 U1.E18 U12.45 U13.45 | length 2718.2
  TopLayer w5: U1.E18@9072.13,8780.31 9074.69,8780.31 v1(9095,8760) ; U1.E16@9072.13,8859.06 9074.06,8859.06 v1(9095,8880) ; U12.45@10157.4,8682.99 10157.4,8631.97 v1(10177.17,8612.2) ; v1(10255.91,9301.18) 10242.13,9301.18 10207.52,9335.79 10181.31,9335.79 10157,9360.09 10157,9399 10157.02,9402.99 10157.4,9467.4 10200.94,9510.94 RT1_5.9@10257.28,9510.94
  MidLayer1 w5: v1(9095,8880) 9135.91,8880 9191.93,8936.02 9219.49,8936.02 9375.98,9092.52 10086.61,9092.52 10221.46,9227.36 10221.46,9280.51 10242.13,9301.18 v1(10255.91,9301.18) 10255.91,9289.37 10258.86,9286.42 10258.86,9005.91 10251.97,8999.02 10251.97,8687.01 v1(10177.17,8612.2)
  MidLayer5 w5: v1(9095,8760) 9075.79,8779.21 9075.79,8863.19 9092.6,8880 v1(9095,8880)
RH7: RT1_7.9 U1.E24 U12.65 | length 970.5
  TopLayer w5: U1.E24@9072.13,8544.09 9072.13,8543.87 v1(9090,8526) ; v1(9593.5,8639.76) 9593.5,8723.43 9605.01,8734.93 9605.01,8739.85 9605.99,8739.85 9618.11,8751.97 9736.22,8751.97 9744.09,8759.84 ; U12.65@9645.59,8682.99 9645.59,8751.89 ; 9743.4,8759.15 9743.4,8774.9 9748.03,8779.53 9795.87,8779.53 RT1_7.9@9797.28,8780.94
  MidLayer2 w5: v1(9090,8526) 9090,8527.99 9105.32,8543.31 9497.05,8543.31 v1(9593.5,8639.76)
RH8: RT1_8.9 U1.G28 U12.13 | length 1322.9
  TopLayer w4: U12.13@9927.09,8220 9931.1,8224.01 v1(9931.1,8267.72)
  TopLayer w5: U1.G28@8993.39,8386.61 v1(9014,8366) ; RT1_8.9@9762.72,8099.06 9762.72,8128.72 9769,8135 9881,8135 9927.09,8181.09 U12.13@9927.09,8220
  MidLayer1 w5: v1(9014,8366) 9014,8348.2 9033.46,8328.74 9033.46,8319.88 9046.26,8307.09 9571.66,8307.09 9630.71,8248.03 9911.42,8248.03 v1(9931.1,8267.72)